# Altium PCB HV_DAC_8ch-DIOT.PCBDOC (part 7 of 11)
Units mm, origin at the board's own origin, x right, y up, seen from the top; angles counter-clockwise.
Board outline 222.63 x 100.1 mm, 8 copper layers (L1, L2, L3, P4, L5, L6, P7, L8), stack 1.563 mm thick; 971 components, 607 nets, 3066 pads, 1424 vias.
Unrouted connection lines stored in the file: 1.
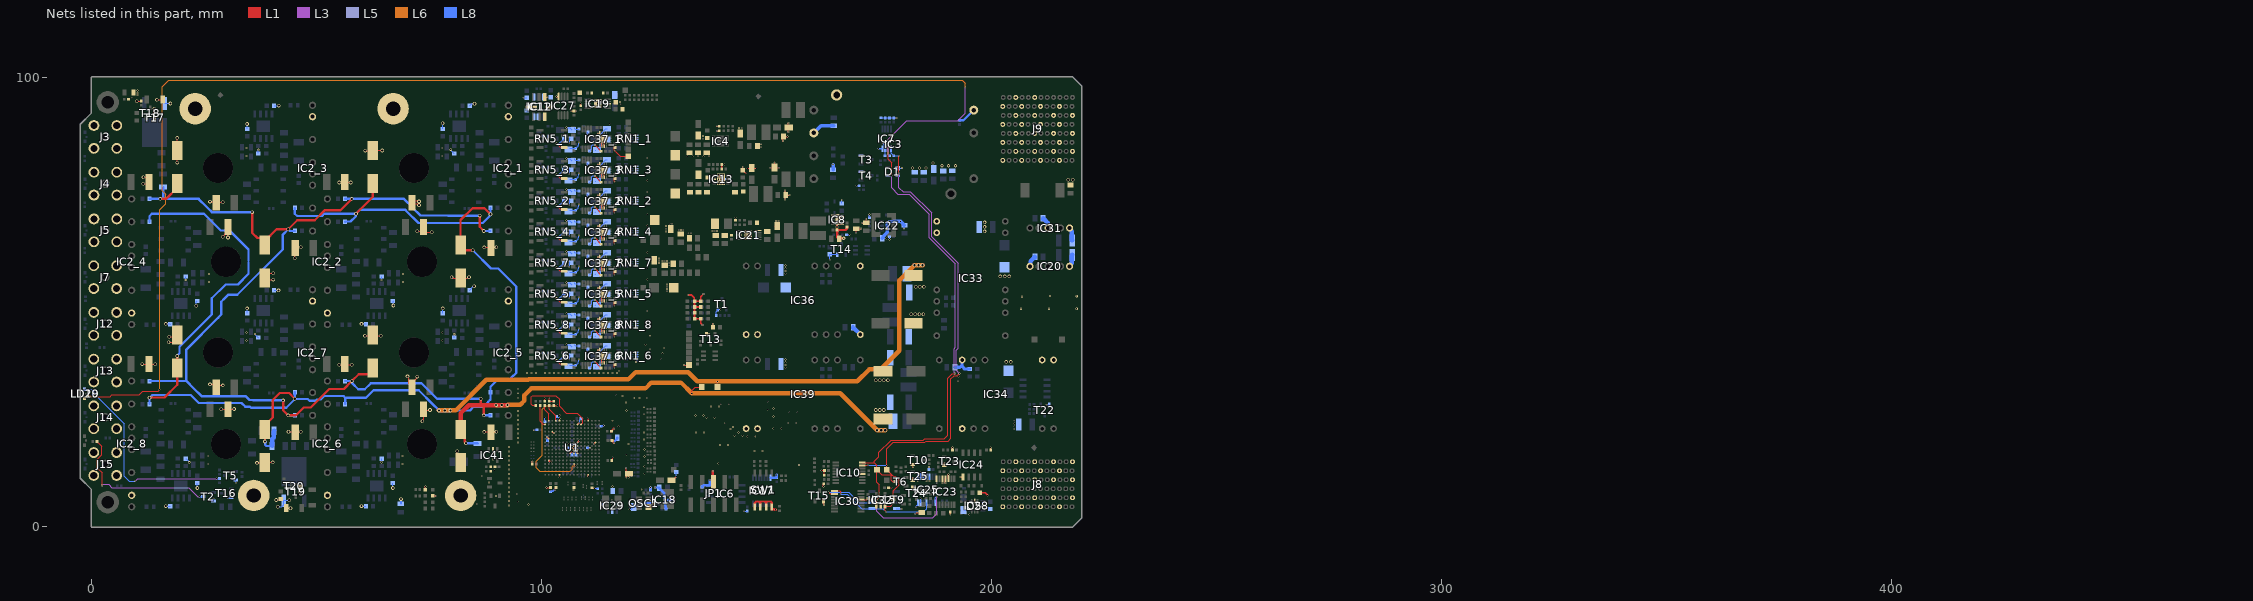
[diagram p13: the nets of this part, all layers, seen from the top]

## Via types
v1: diameter 0.4, hole 0.2, L1 to L8, tented both sides, 1016 vias
v2: diameter 0.8, hole 0.5, L1 to L8, tented both sides, 203 vias
v3: diameter 0.5, hole 0.2, L1 to L8, tented both sides, 117 vias
v4: diameter 0.7, hole 0.4, L1 to L8, tented both sides, 43 vias
v5: diameter 0.4, hole 0.2, L1 to L8, 32 vias
v6: diameter 0.5, hole 0.25, L1 to L8, 6 vias
v7: diameter 0.7, hole 0.4, L1 to L8, 5 vias
v8: diameter 1.2, hole 0.8, L1 to L8, tented both sides, 2 vias

## Nets (pads, with @x,y where several pads share a name; then routed paths per layer and width w, separated by ;. In a path a pad name is that pad's centre, name@x,y a point inside that pad or via, vN(x,y) a via of type N, cw(c..) or ccw(c..) an arc to the next point about the centre after c; other vN are vias at no path point) (continued)
GND: B2.1 B3.1 B4.1 B5.1 C3_1.2 C3_2.2 C3_3.2 C3_4.2 C3_5.2 C3_6.2 C3_7.2 C3_8.2 C4_1.1 C4_2.1 C4_3.1 C4_4.1 C4_5.1 C4_6.1 C4_7.1 C4_8.1 C5_1.2 C5_2.2 C5_3.2 C5_4.2 C5_5.2 C5_6.2 C5_7.2 C5_8.2 C7_1.2 C7_2.2 C7_3.2 C7_4.2 C7_5.2 C7_6.2 C7_7.2 C7_8.2 C8_1.1 C8_2.1 C8_3.1 C8_4.1 C8_5.1 C8_6.1 C8_7.1 C8_8.1 C9.1 C10.1 C11.1 C12_1.2 C12_2.2 C12_3.2 C12_4.2 C12_5.2 C12_6.2 C12_7.2 C12_8.2 C13.1 C14.2 C15.1 C16.1 C17.1 C18.1 C19.1 C22.1 C23.1 C24.1 C25.1 C26.1 C27.1 C28.2 C29.1 C30.1 C32.1 C33.2 C34.1 C36.1 C38.1 C39.1 C40.1 C41.1 C42.1 C43.1 C44.1 C45.1 C46.1 C47.1 C48.1 C49.2 C51.1 C52.2 C53.1 C54.1 C55.1 C56.1 C57.1 C58.1 C59.1 C60.2 C61.1 C62.1 C63.1 C64.1 C65.1 C67.1 C69.1 C70.1 C71.1 C72.1 C73.2 C74.1 C75.1 C76.1 C77.2 C78.1 C79.1 C80.1 C81.1 C82.2 C83.1 C84.1 C85.1 C86.1 C87.1 C88.1 C90.1 C91.2 C92_1.1 C92_2.1 C92_3.1 C92_4.1 C92_5.1 C92_6.1 C92_7.1 C92_8.1 C93.1 C94.1 C95.1 C96.1 C97_1.1 C97_2.1 C97_3.1 C97_4.1 C97_5.1 C97_6.1 C97_7.1 C97_8.1 C98_1.2 C98_2.2 C98_3.2 C98_4.2 C98_5.2 C98_6.2 C98_7.2 C98_8.2 C99_1.2 C99_2.2 C99_3.2 C99_4.2 C99_5.2 C99_6.2 C99_7.2 C99_8.2 C100.1 C101_1.1 C101_2.1 C101_3.1 C101_4.1 C101_5.1 C101_6.1 C101_7.1 C101_8.1 C103.1 C104.2 C105.1 C106_1.1 C106_2.1 C106_3.1 C106_4.1 C106_5.1 C106_6.1 C106_7.1 C106_8.1 C108.1 C109.2 C110.1 C111.1 C112.1 C113.1 C114.1 C115.1 C116.1 C117.1 C118.2 C119.1 C120.1 C121.1 C122.1 C123.1 C124.1 C125.2 C127.2 C128.2 C129.2 C130.2 C131.2 C132.1 C133.1 C134.2 C135.1 C137.1 C138_1.2 C138_2.2 C138_3.2 C138_4.2 C138_5.2 C138_6.2 C138_7.2 C138_8.2 C139.2 C140.1 C141.2 C142_1.1 C142_2.1 C142_3.1 C142_4.1 C142_5.1 C142_6.1 C142_7.1 C142_8.1 C143_1.1 C143_2.1 C143_3.1 C143_4.1 C143_5.1 C143_6.1 C143_7.1 C143_8.1 C144.1 C149.1 C150.2 C151.1 C152.1 C153.2 C154_1.1 C154_2.1 C154_3.1 C154_4.1 C154_5.1 C154_6.1 C154_7.1 C154_8.1 C155.1 C156.2 C157.1 C160.1 C161.1 C162.1 C163.1 C164.1 C165.1 C166.1 C167.1 C168.1 C170.1 C257.1 C258.2 D1.1 D5.2 D6.2 D8.2 D9.1 D10.1 D11.2 D13.1 IC2_1.2 IC2_2.2 IC2_3.2 IC2_4.2 IC2_5.2 IC2_6.2 IC2_7.2 IC2_8.2 IC3.3 IC3.5 IC3.9 IC4.9 IC6.4 IC7.4 IC8.1 IC8.4 IC8.6 IC8.11 IC10.4 IC11.3 IC11.4 IC11.5 IC11.8 IC12.3 IC12.4 IC12.5 IC12.8 IC13.8 IC13.11 IC15.4 IC17.7 IC18.2 IC19.8 IC19.11 IC20.1 IC20.5 IC21.5 IC21.8 IC21.11 IC22.1 IC23.3 IC23.4 IC23.5 IC23.7 IC24.1 IC25.6 IC25.7 IC25.8 IC25.9 IC25.10 IC25.11 IC25.12 IC27.4 IC28.2 IC29.2 IC30.13 IC31.1 IC31.3 IC32.2 IC33.2 IC33.3 IC34.2 IC34.3 IC34.10 IC34.15 IC36.2 IC36.3 IC36.12 IC36.13 IC37_1.2 IC37_1.3 IC37_1.12 IC37_1.17 IC37_2.2 IC37_2.3 IC37_2.12 IC37_2.17 IC37_3.2 IC37_3.3 IC37_3.12 IC37_3.17 IC37_4.2 IC37_4.3 IC37_4.12 IC37_4.17 IC37_5.2 IC37_5.3 IC37_5.12 IC37_5.17 IC37_6.2 IC37_6.3 IC37_6.12 IC37_6.17 IC37_7.2 IC37_7.3 IC37_7.12 IC37_7.17 IC37_8.2 IC37_8.3 IC37_8.12 IC37_8.17 IC39.2 IC39.3 IC41.2 J3.2 J4.2 J5.2 J7.2 J8.A2 J8.A4 J8.A6 J8.C1 J8.C5 J8.D2 J8.D4 J8.D6 J8.F1 J8.F5 J8.G2 J8.G4 J8.G6 J8.I1 J8.I5 J8.J2 J8.J4 J8.J6 J8.L1 J8.L5 J9.A2 J9.A4 J9.A6 J9.C1 J9.C3 J9.C5 J9.C7 J9.D2 J9.D4 J9.D6 J9.F1 J9.F3 J9.F5 J9.F7 J9.G2 J9.G4 J9.G6 J9.G8 J9.I1 J9.I3 J9.I5 J9.I7 J9.J2 J9.J4 J9.J6 J9.J8 J9.L1 J9.L3 J9.L5 J9.L7 J12.2 J13.2 J14.2 J15.2 JP1.5 LD2.1 LD4.1 LD5.1 LD6.2 LD7.2 LD8.1 LD10.1 LD11.1 LD13.1 OSC1.2 R8.1 R22.2 R25.1 R26.1 R27.1 R28.1 R32.2 R40.2 R45.2 R48.1 R57.2 R60.2 R67_1.1 R67_2.1 R67_3.1 R67_4.1 R67_5.1 R67_6.1 R67_7.1 R67_8.1 R77.1 R90.1 R91.1 R92.1 R94.1 R100.2 R101.1 R104.1 R113_1.1 R113_2.1 R113_3.1 R113_4.1 R113_5.1 R113_6.1 R113_7.1 R113_8.1 R126.1 R132.1 R137.1 R142.1 R154.1 R155.1 R157.1 R173.1 R174.1 R230.2 R231.2 R237.1 R276.2 R277.2 R382.1 RN1_1.5 RN1_1.6 RN1_1.7 RN1_1.8 RN1_2.5 RN1_2.6 RN1_2.7 RN1_2.8 RN1_3.5 RN1_3.6 RN1_3.7 RN1_3.8 RN1_4.5 RN1_4.6 RN1_4.7 RN1_4.8 RN1_5.5 RN1_5.6 RN1_5.7 RN1_5.8 RN1_6.5 RN1_6.6 RN1_6.7 RN1_6.8 RN1_7.5 RN1_7.6 RN1_7.7 RN1_7.8 RN1_8.5 RN1_8.6 RN1_8.7 RN1_8.8 RN5_1.1 RN5_2.1 RN5_3.1 RN5_4.1 RN5_5.1 RN5_6.1 RN5_7.1 RN5_8.1 SW1.1 SW1.2 SW1.3 SW1.4 T1.2 T2.2 T3.2 T4.2 T5.2 T10.2 T13.2 T14.2 T15.2 T16.2 T17.2 T18.2 T19.1 T20.2 T22.2 T23.2 T24.2 T25.2 TP16.1 TP17.1 U1.A4 U1.A12 U1.E15 U1.G7 U1.G8 U1.G9 U1.H7 U1.H8 U1.H9 U1.J7 U1.J8 U1.J9 U1.K2 U1.K7 U1.L15 U1.N14 U1.R7 U1.T4 U1.T12 | length 540
  L1 w0.1: v1(116.294,83.619) 117.513,82.4 TP17.1@119.3,82.4 ; v1(131.7,36) TP16.1@132.8,36
  L1 w0.127: C78.1@97.95,14 97.981,14.031 v1(97.981,14.624) ; v1(101.092,8.763) 101.987,8.763 C23.1@102,8.75 ; v1@101.194,20.02 v1(101.194,20.035) ; U1.L15@101.592,19.6 U1.L15@101.592,19.622 ; U1.N14@102.4,21.2 102.406,21.2 102.752,20.855 v1@102.752,20.848 ; v1(103.048,8.179) 103.048,8.598 C71.1@103.2,8.75 ; v1(104,11.06) U1.A12@104,11.6 ; U1.T12@104,23.6 104.015,23.615 104.015,24.109 v1(104.03,24.124) ; v1@104.055,24.905 v1@104.107,24.957 ; v1@106.027,18.352 106.048,18.352 106.379,18.021 U1.J9@106.379,18 ; v1(106.045,16.815) 106.045,16.83 106.394,17.179 U1.H9@106.4,17.179 ; U1.G9@106.4,16.4 106.418,16.4 v1@106.829,16.811 ; v1(106.8,17.6) U1.H8@107.2,17.2 ; v1@106.829,16.829 v1@106.829,16.811 ; v1(107.137,8.204) 107.137,8.687 C57.1@107.2,8.75 ; U1.G8@107.2,16.4 107.2,16.422 v1(106.832,16.789) 106.829,16.793 v1@106.829,16.811 ; U1.J8@107.2,18 v1(107.594,18.394) 107.6,18.4 107.6,18.394 107.994,18 U1.J7@108,18 ; U1.G7@108,16.4 108,16.43 107.645,16.785 v1(107.645,16.815) 107.645,16.83 108,17.185 U1.H7@108,17.2 ; U1.K7@108,18.842 108.042,18.842 108.352,19.152 v1@108.352,19.194 ; U1.R7@108,22.821 108.004,22.821 108.352,23.169 v1@108.352,23.173 ; v1(110.285,24.176) 110.285,24.102 110.396,23.991 110.396,23.604 U1.T4@110.4,23.6 ; U1.A4@110.4,11.6 110.403,11.597 110.403,11.178 v1(110.405,11.176) ; C70.1@111.2,8.7 111.3,8.6 v1(111.78,8.6) ; v1(111.608,18.415) 111.611,18.415 111.996,18.8 U1.K2@112,18.8 ; IC37_6.17@112.935,38.773 IC37_6.17@113.07,38.638 ; IC37_8.17@112.935,45.66 IC37_8.17@113.07,45.525 ; IC37_5.17@112.935,52.546 IC37_5.17@113.07,52.412 ; IC37_7.17@112.935,59.433 IC37_7.17@113.07,59.298 ; IC37_4.17@112.935,66.319 IC37_4.17@113.07,66.185 ; IC37_2.17@112.935,73.206 IC37_2.17@113.07,73.071 ; IC37_3.17@112.935,80.093 IC37_3.17@113.07,79.958 ; IC37_1.17@112.935,86.979 IC37_1.17@113.07,86.844 ; C43.1@115.6,14.8 115.824,15.024 v1(115.824,15.494) ; v1@116.18,35.526 v1(116.294,35.412) ; v1@116.18,42.413 v1(116.294,42.299) ; v1@116.18,49.3 v1(116.294,49.186) ; v1@116.18,56.186 v1(116.294,56.072) ; v1@116.18,63.073 v1(116.294,62.959) ; v1@116.18,69.959 v1(116.294,69.845) ; v1@116.18,76.846 v1(116.294,76.732) ; v1@116.18,83.733 v1(116.294,83.619) ; C101_6.1@116.195,35.897 116.195,36.024 C101_6.1@116.195,36.164 ; C101_8.1@116.195,42.784 116.195,42.91 C101_8.1@116.195,43.05 ; C101_5.1@116.195,49.67 116.195,49.797 C101_5.1@116.195,49.937 ; C101_7.1@116.195,56.557 116.195,56.684 C101_7.1@116.195,56.823 ; C101_4.1@116.195,63.444 116.195,63.57 C101_4.1@116.195,63.71 ; C101_2.1@116.195,70.33 116.195,70.457 C101_2.1@116.195,70.596 ; C101_3.1@116.195,77.217 116.195,77.343 C101_3.1@116.195,77.483 ; C101_1.1@116.195,84.103 116.195,84.23 C101_1.1@116.195,84.37 ; v1(127.25,6) v1@127.303,6 ; C33.2@128.9,10.4 129.175,10.4 129.736,10.961 129.736,10.99 129.956,11.209 v1(129.956,11.251) ; C60.2@151.954,66.754 C60.2@152,66.8 ; v1(153.65,85.8) 153.65,86.65 C42.1@153.8,86.8 v1(154.65,86.8) ; v1(154.9,87.8) 154.9,88.75 C18.1@154.95,88.8 154.9,88.85 v1(154.9,89.8) ; v1(162.204,12.573) 162.872,12.573 C88.1@162.897,12.548 162.852,12.502 R40.2@162.852,11.506 ; v1(162.662,8.992) 162.662,9.512 R45.2@162.75,9.601 ; T15.2@162.723,5.759 162.789,5.693 v1(162.789,4.902) ; IC8.11@165.788,67.675 IC8.11@165.788,68.332 ; v1(169.94,65.424) C64.1@169.94,66.274 171.016,66.274 171.016,66.301 v1(171.044,66.329) ; v1(170.231,11.709) 171.269,11.709 IC10.4@171.289,11.729 ; IC30.13@171.047,6.065 172.345,6.065 C116.1@172.593,6.314 172.839,6.067 173.109,6.067 173.176,6 v1(173.25,6) ; IC32.2@175.385,4.652 v1(175.385,5.527) ; C38.1@177.113,8.7 177.125,8.712 v1(177.851,8.712)
  L1 w0.2: LD7.2@74.175,8.3 v1(74.175,8.975) ; LD2.1@75.825,6.9 v1(76.5,6.9) ; T13.2@136.675,42.9 v1(137.225,42.9) ; C111.1@138.1,44.4 v1(138.1,45.15) ; v1(138.98,88.1) R27.1@139.53,88.1 ; v1(138.98,89.1) R22.2@139.53,89.1 ; R57.2@140.07,80.6 v1(140.62,80.6) ; R142.1@143.13,68.2 v1(143.13,68.75) ; T24.2@182.45,8.65 v1(183,8.65) ; T25.2@182.55,10.35 v1(182.55,10.9) ; v1(182.55,13.3) T10.2@182.55,13.85 ; v1(187.85,9.75) IC23.7@187.85,10.7 ; v1(189.15,9.75) IC23.5@189.15,10.7 ; T23.2@189.55,13.65 v1(189.55,14.2) ; v1(189.8,9.75) IC23.4@189.8,10.7 ; IC23.3@190.45,10.7 v1(190.45,11.65) ; v1(190.85,2.75) C11.1@190.85,3.3 ; C95.1@191.35,17.1 v1(191.35,17.65) ; v1(193.145,11.1) IC24.1@193.695,11.1 ; D5.2@196.3,5.7 v1(196.3,6.4) ; C100.1@199.85,17.1 v1(199.85,17.65)
  L1 w0.203: v1(111.915,36.718) 111.915,36.696 112.882,35.73 112.882,35.683 C3_6.2@113.232,35.332 ; v1(111.915,43.605) 111.915,43.582 112.882,42.616 112.882,42.569 C3_8.2@113.232,42.219 ; v1(111.915,50.492) 111.915,50.469 112.882,49.503 112.882,49.456 C3_5.2@113.232,49.106 ; v1(111.915,57.378) 111.915,57.356 112.882,56.39 112.882,56.343 C3_7.2@113.232,55.992 ; v1(111.915,64.265) 111.915,64.242 112.882,63.276 112.882,63.229 C3_4.2@113.232,62.879 ; v1(111.915,71.151) 111.915,71.129 112.882,70.163 112.882,70.116 C3_2.2@113.232,69.765 ; v1(111.915,78.038) 111.915,78.015 112.882,77.049 112.882,77.002 C3_3.2@113.232,76.652 ; v1(111.915,84.925) 111.915,84.902 112.882,83.936 112.882,83.889 C3_1.2@113.232,83.539 ; v1(112.521,39.335) 112.558,39.372 112.89,39.372 112.935,39.417 IC37_6.12@112.935,39.462 ; v1(112.521,46.221) 112.558,46.259 112.89,46.259 112.935,46.304 IC37_8.12@112.935,46.348 ; v1(112.521,53.108) 112.558,53.145 112.89,53.145 112.935,53.19 IC37_5.12@112.935,53.235 ; v1(112.521,59.994) 112.558,60.032 112.89,60.032 112.935,60.077 IC37_7.12@112.935,60.121 ; v1(112.521,66.881) 112.558,66.919 112.89,66.919 112.935,66.963 IC37_4.12@112.935,67.008 ; v1(112.521,73.768) 112.558,73.805 112.89,73.805 112.935,73.85 IC37_2.12@112.935,73.895 ; v1(112.521,80.654) 112.558,80.692 112.89,80.692 112.935,80.737 IC37_3.12@112.935,80.781 ; v1(112.521,87.541) 112.558,87.578 112.89,87.578 112.935,87.623 IC37_1.12@112.935,87.668
  L1 w0.254: v2(10,94.625) 10.032,94.657 10.967,94.657 R126.1@11,94.69 ; v2(11.265,36.214) C4_8.1@12.765,36.214 12.805,36.174 v2(14.1,36.174) ; v2(11.47,76.325) 12.269,76.325 12.531,76.587 12.638,76.587 C4_4.1@12.765,76.714 ; v2(11.5,77.745) 12.092,77.745 12.531,77.306 12.531,76.714 C4_4.1@12.638,76.714 ; v2(13.94,93) 13.945,92.995 13.945,90.855 T18.2@13.95,90.85 ; v2(14.5,95) D11.2@15.75,95 ; v2(17.085,41.052) 17.952,41.052 18.335,41.435 C168.1@18.335,42.302 ; v2(17.242,42.302) C168.1@18.335,42.302 ; v2(19,81) C128.2@19,83.675 v2(19,86.5) ; v2(26.291,31.69) 27.581,31.69 27.806,31.465 v2(29.171,31.465) ; v2(26.291,72.338) 27.657,72.338 27.803,72.192 v2(29.111,72.192) ; v2(28.791,26.181) C8_8.1@30.291,26.181 30.333,26.223 v2(31.646,26.223) ; v2(29.111,64.514) 29.111,64.551 30.291,65.731 C8_4.1@30.291,66.681 ; v2(30.291,64.362) C8_4.1@30.291,65.67 ; v2(36.754,14.236) 38.411,14.236 C166.1@38.5,14.325 38.525,14.35 v2(40.257,14.35) ; C129.2@38.5,55.325 C129.2@38.675,55.5 ; v2(40.377,55) 39.175,55 C129.2@38.675,55.5 ; v2(40.377,56.394) 39.548,56.394 38.675,55.521 C129.2@38.675,55.5 ; v2(41,6) 41.827,6 R132.1@42.067,6.24 ; D13.1@43.25,4.25 43.35,4.15 v2(44.185,4.15) ; v2(43.75,21.159) 45.108,21.159 C4_7.1@45.235,21.032 45.362,21.159 v2(46.473,21.159) ; v2(45.153,59.732) 45.153,61.95 C4_3.1@45.235,62.032 45.362,62.159 v2(46.473,62.159) ; v2(46.303,7.84) 46.308,7.844 46.308,8.985 T19.1@46.312,8.99 ; v2(55.027,36.087) 56.138,36.087 C4_6.1@56.265,36.214 56.389,36.09 v2(57.821,36.09) ; v2(55.027,76.587) 56.138,76.587 C4_2.1@56.265,76.714 56.392,76.587 v2(57.6,76.587) ; v2(60.742,42.496) 62.321,42.496 C130.2@62.5,42.675 62.679,42.496 v2(64.279,42.496) ; v2(60.822,83.675) C162.1@62.5,83.675 62.528,83.703 v2(64.564,83.703) ; v2(70.198,33.474) 70.198,33.292 70.473,33.017 70.473,31.801 C8_5.1@71.209,31.065 71.209,32.015 72.255,33.06 72.255,33.327 v2(72.359,33.432) ; C8_1.1@71.209,72.065 71.432,71.842 72.351,71.842 72.693,71.5 v2(72.752,71.5) ; C8_1.1@71.575,72.692 71.787,72.48 72.473,72.48 72.604,72.349 v2(72.752,72.349) ; v2(72.359,65.75) C8_2.1@73.389,65.75 ; v2(73.523,23.5) 73.523,23.682 73.791,23.95 C8_6.1@73.791,26.181 73.972,26 v2(75.209,26) ; C8_2.1@73.938,65.614 74.052,65.5 v2(75.574,65.5) ; v2(80,55.5) 80.182,55.5 80.357,55.325 C165.1@82,55.325 83.523,55.325 83.698,55.5 v2(83.88,55.5) ; v2(81.268,16.844) 81.268,15.057 C131.2@82,14.325 ; v2(87.25,21.135) 88.632,21.135 C4_5.1@88.735,21.032 88.862,21.159 v2(89.973,21.159) ; v2(87.25,62.151) 88.616,62.151 C4_1.1@88.735,62.032 88.862,62.159 v2(89.973,62.159) ; v1(100.7,28.6) 100.7,27.96 R94.1@100.71,27.95 ; IC12.5@100.719,95.603 100.772,95.55 v1(101.3,95.55) ; R173.1@101.7,27.95 R173.1@101.71,27.95 ; v1(101.7,28.6) 101.7,27.96 R173.1@101.71,27.95 ; R174.1@102.71,27.95 R173.1@101.71,27.95 ; v3(103.275,37.049) 104.056,36.268 104.945,36.268 RN5_6.1@105.053,36.16 ; v3(103.275,43.935) 104.056,43.155 104.945,43.155 RN5_8.1@105.053,43.046 ; v3(103.275,50.822) 104.056,50.041 104.945,50.041 RN5_5.1@105.053,49.933 ; v3(103.275,57.708) 104.056,56.928 104.945,56.928 RN5_7.1@105.053,56.819 ; v3(103.275,64.595) 104.056,63.814 104.945,63.814 RN5_4.1@105.053,63.706 ; v3(103.275,71.482) 104.056,70.701 104.945,70.701 RN5_2.1@105.053,70.593 ; v3(103.275,78.368) 104.056,77.588 104.945,77.588 RN5_3.1@105.053,77.479 ; v3(103.275,85.255) 104.056,84.474 104.945,84.474 RN5_1.1@105.053,84.366 ; v1(103.315,95.675) IC27.4@103.825,95.675 ; v1(106.69,92.45) C152.1@107.2,92.45 v1(107.71,92.45) ; R155.1@108.7,93.67 v1(108.7,94.18) ; IC37_6.2@113.435,36.462 113.435,37.412 IC37_6.17@113.685,37.662 ; IC37_8.2@113.435,43.348 113.435,44.298 IC37_8.17@113.685,44.548 ; IC37_5.2@113.435,50.235 113.435,51.185 IC37_5.17@113.685,51.435 ; IC37_7.2@113.435,57.121 113.435,58.071 IC37_7.17@113.685,58.321 ; IC37_4.2@113.435,64.008 113.435,64.958 IC37_4.17@113.685,65.208 ; IC37_2.2@113.435,70.895 113.435,71.845 IC37_2.17@113.685,72.095 ; IC37_3.2@113.435,77.781 113.435,78.731 IC37_3.17@113.685,78.981 ; IC37_1.2@113.435,84.668 113.435,85.618 IC37_1.17@113.685,85.868 ; IC37_6.17@113.685,37.962 IC37_6.17@113.685,37.662 ; IC37_8.17@113.685,44.848 IC37_8.17@113.685,44.548 ; IC37_5.17@113.685,51.735 IC37_5.17@113.685,51.435 ; IC37_7.17@113.685,58.621 IC37_7.17@113.685,58.321 ; IC37_4.17@113.685,65.508 IC37_4.17@113.685,65.208 ; IC37_2.17@113.685,72.395 IC37_2.17@113.685,72.095 ; IC37_3.17@113.685,79.281 IC37_3.17@113.685,78.981 ; IC37_1.17@113.685,86.168 IC37_1.17@113.685,85.868 ; IC37_6.3@113.935,36.462 113.935,37.214 113.687,37.462 113.685,37.462 IC37_6.17@113.685,37.662 ; IC37_8.3@113.935,43.348 113.935,44.1 113.687,44.348 113.685,44.348 IC37_8.17@113.685,44.548 ; IC37_5.3@113.935,50.235 113.935,50.987 113.687,51.235 113.685,51.235 IC37_5.17@113.685,51.435 ; IC37_7.3@113.935,57.121 113.935,57.873 113.687,58.121 113.685,58.121 IC37_7.17@113.685,58.321 ; IC37_4.3@113.935,64.008 113.935,64.76 113.687,65.008 113.685,65.008 IC37_4.17@113.685,65.208 ; IC37_2.3@113.935,70.895 113.935,71.647 113.687,71.895 113.685,71.895 IC37_2.17@113.685,72.095 ; IC37_3.3@113.935,77.781 113.935,78.533 113.687,78.781 113.685,78.781 IC37_3.17@113.685,78.981 ; IC37_1.3@113.935,84.668 113.935,85.42 113.687,85.668 113.685,85.668 IC37_1.17@113.685,85.868 ; v1@116.18,35.526 116.18,36.009 116.195,36.024 C101_6.1@116.229,36.058 ; v1@116.18,42.413 116.18,42.896 116.195,42.91 C101_8.1@116.229,42.945 ; v1@116.18,49.3 116.18,49.782 116.195,49.797 C101_5.1@116.229,49.831 ; v1@116.18,56.186 116.18,56.669 116.195,56.684 C101_7.1@116.229,56.718 ; v1@116.18,63.073 116.18,63.556 116.195,63.57 C101_4.1@116.229,63.604 ; v1@116.18,69.959 116.18,70.442 116.195,70.457 C101_2.1@116.229,70.491 ; v1@116.18,76.846 116.18,77.329 116.195,77.343 C101_3.1@116.229,77.378 ; v1@116.18,83.733 116.18,84.215 116.195,84.23 C101_1.1@116.229,84.264 ; v1(118.815,10.975) 118.815,11.388 C52.2@119.402,11.976 ; v1(118.847,13.132) 118.847,12.474 119.345,11.976 C52.2@119.402,11.976 ; v1(119.378,10.974) 119.402,10.998 C52.2@119.402,11.826 C52.2@119.402,11.976 ; v1(144.75,80) C29.1@144.75,79.3 144.775,79.3 145.297,78.778 145.472,78.778 v1(145.5,78.75) ; v1(145.75,79.75) 146.7,79.75 C77.2@146.75,79.8 146.8,79.75 v1(147.75,79.75) ; C44.1@147.9,84.7 C44.1@148.157,84.957 ; v1(150.8,79.85) 151.75,79.85 C28.2@151.8,79.9 ; v1(151.8,81.1) C28.2@151.8,79.9 ; v1(152.8,79.85) 151.85,79.85 C28.2@151.8,79.9 ; v1(154.15,72.8) 154.15,73.65 C27.1@154.3,73.8 ; v1(154.15,74.8) 154.15,73.95 C27.1@154.3,73.8 ; v1(155.15,73.8) C27.1@154.3,73.8 ; IC8.6@164.738,69.332 165.445,69.332 165.788,68.989 IC8.11@165.788,68.489 ; IC8.11@165.788,67.675 166.131,67.332 IC8.1@166.838,67.332 ; IC8.11@165.788,68.332 IC8.11@165.788,68.489 ; IC8.4@166.838,68.832 166.131,68.832 IC8.11@165.788,68.489 ; v1(171.271,67.653) 172.158,67.653 C110.1@172.171,67.641 v1(172.171,68.441) ; v1(183.1,2.9) 183.4,3.2 C15.1@184.5,3.2 ; C168.1@18.335,42.302 18.627,42.302 C168.1@19,42.675 18.708,42.675 C168.1@18.335,42.302
  L1 w0.3: v1@101.194,20.02 U1.L15@101.592,19.622 ; U1.E15@101.6,14.8 v1(102,14.4) ; R26.1@140.03,79.6 140.07,79.64 R57.2@140.07,80.6 ; C103.1@197.4,7.6 198.6,7.6 v1(199.2,7)
  L1 w0.4: v1(132.6,51.6) 133.3,51.6 133.938,50.962 133.938,50.287 LD6.2@134.025,50.2 ; LD8.1@135.375,48.9 LD5.1@134.025,48.9 ; v1(135.8,44.9) 135.375,45.325 LD11.1@135.375,46.3 LD13.1@134.025,46.3 LD10.1@134.025,47.6 LD5.1@134.025,48.9 ; v1(136,51.8) 135.375,51.175 LD4.1@135.375,50.2 LD6.2@134.025,50.2 ; LD5.1@134.025,48.9 LD6.2@134.025,50.2
  L1 w0.508: C80.1@115.525,21.282 116.071,21.828 v1(116.119,21.828) ; C22.1@115.65,19.2 116.119,18.731 v1(116.119,18.726) ; OSC1.2@123.76,4.455 123.776,4.47 124.968,4.47 124.968,4.988 v1(124.706,5.25) ; v1(138.091,12.446) 138.091,10.148 JP1.5@138.23,10.009 ; SW1.1@147.371,4.44 147.371,4.94 147.392,4.961 147.392,5.318 147.738,5.664 148.59,5.664 ; SW1.2@148.641,4.44 148.641,5.613 148.59,5.664 ; SW1.3@149.911,4.44 149.89,4.461 149.89,5.511 149.737,5.664 ; v1(152.044,3.835) 151.785,3.835 151.702,3.919 151.202,3.919 151.181,3.94 SW1.4@151.181,4.44 151.181,5.367 150.883,5.664 149.737,5.664 ; C58.1@165.69,65.976 v4(165.69,66.674) 165.707,66.691 165.707,67.594 IC8.11@165.788,67.675 ; v4(167.19,64.174) 165.94,64.174 165.763,64.35 165.763,65.955 C58.1@165.707,66.011 167.585,66.011 167.882,66.309 167.882,66.626 C63.1@167.938,66.682 ; 148.59,5.664 149.737,5.664
  L5 w0.381: v1(157.25,13.75) v1@157.25,13.755
  L8 w0.1: v1(129.956,11.251) 129.956,12.156 C114.1@130,12.2
  L8 w0.127: v1(98.29,21.524) 98.333,21.567 98.967,21.567 C53.1@99,21.6 C53.1@99.033,21.633 ; R67_6.1@104.902,37.988 R67_6.1@104.926,37.988 ; R67_8.1@104.902,44.875 R67_8.1@104.926,44.875 ; R67_5.1@104.902,51.762 R67_5.1@104.926,51.762 ; R67_7.1@104.902,58.648 R67_7.1@104.926,58.648 ; R67_4.1@104.902,65.535 R67_4.1@104.926,65.535 ; R67_2.1@104.902,72.421 R67_2.1@104.926,72.421 ; R67_3.1@104.902,79.308 R67_3.1@104.926,79.308 ; R67_1.1@104.902,86.195 R67_1.1@104.926,86.195 ; v1(106,18.4) 106.75,18.4 C56.1@106.8,18.35 ; C75.1@106.05,17.6 v1(106.8,17.6) ; C24.1@106.75,16 106.832,16.082 106.832,16.721 v1@106.777,16.777 ; C79.1@107.475,17.601 107.594,17.721 107.594,18.331 v1@107.525,18.401 ; v1(107.645,16.815) 107.645,16.005 C25.1@107.65,16 ; v1(108.356,23.19) 108.356,23.264 108.498,23.405 108.498,23.854 C16.1@108.744,24.1 ; C143_6.1@110.298,39.576 C143_6.1@110.311,39.589 ; C143_8.1@110.298,46.463 C143_8.1@110.311,46.475 ; C143_5.1@110.298,53.349 C143_5.1@110.311,53.362 ; C143_7.1@110.298,60.236 C143_7.1@110.311,60.248 ; C143_4.1@110.298,67.122 C143_4.1@110.311,67.135 ; C143_2.1@110.298,74.009 C143_2.1@110.311,74.022 ; C143_3.1@110.298,80.895 C143_3.1@110.311,80.908 ; C143_1.1@110.298,87.782 C143_1.1@110.311,87.795 ; v1(111.78,8.6) 112.4,8.6 R237.1@112.5,8.5 ; C138_6.2@111.979,35.565 C138_6.2@112.004,35.59 ; C138_8.2@111.979,42.452 C138_8.2@112.004,42.477 ; C138_5.2@111.979,49.338 C138_5.2@112.004,49.364 ; C138_7.2@111.979,56.225 C138_7.2@112.004,56.25 ; C138_4.2@111.979,63.111 C138_4.2@112.004,63.137 ; C138_2.2@111.979,69.998 C138_2.2@112.004,70.023 ; C138_3.2@111.979,76.884 C138_3.2@112.004,76.91 ; C138_1.2@111.979,83.771 C138_1.2@112.004,83.796 ; C138_6.2@112.876,35.88 C138_6.2@113.025,36.029 ; C138_8.2@112.876,42.767 C138_8.2@113.025,42.916 ; C138_5.2@112.876,49.653 C138_5.2@113.025,49.802 ; C138_7.2@112.876,56.54 C138_7.2@113.025,56.689 ; C138_4.2@112.876,63.427 C138_4.2@113.025,63.576 ; C138_2.2@112.876,70.313 C138_2.2@113.025,70.462 ; C138_3.2@112.876,77.2 C138_3.2@113.025,77.349 ; C138_1.2@112.876,84.086 C138_1.2@113.025,84.235 ; C138_6.2@112.995,35.844 C138_6.2@113.025,35.875 ; C138_8.2@112.995,42.731 C138_8.2@113.025,42.762 ; C138_5.2@112.995,49.618 C138_5.2@113.025,49.648 ; C138_7.2@112.995,56.504 C138_7.2@113.025,56.535 ; C138_4.2@112.995,63.391 C138_4.2@113.025,63.422 ; C138_2.2@112.995,70.277 C138_2.2@113.025,70.308 ; C138_3.2@112.995,77.164 C138_3.2@113.025,77.195 ; C138_1.2@112.995,84.05 C138_1.2@113.025,84.081 ; v5@113.003,37.252 v5@113.025,37.23 ; v5@113.003,44.138 v5@113.025,44.116 ; v5@113.003,51.025 v5@113.025,51.003 ; v5@113.003,57.912 v5@113.025,57.89 ; v5@113.003,64.798 v5@113.025,64.776 ; v5@113.003,71.685 v5@113.025,71.663 ; v5@113.003,78.571 v5@113.025,78.549 ; v5@113.003,85.458 v5@113.025,85.436 ; v5(113.025,37.262) 113.029,37.265 v5@113.029,37.277 ; v5(113.025,44.148) 113.029,44.152 v5@113.029,44.164 ; v5(113.025,51.035) 113.029,51.038 v5@113.029,51.05 ; v5(113.025,57.921) 113.029,57.925 v5@113.029,57.937 ; v5(113.025,64.808) 113.029,64.811 v5@113.029,64.824 ; v5(113.025,71.695) 113.029,71.698 v5@113.029,71.71 ; v5(113.025,78.581) 113.029,78.585 v5@113.029,78.597 ; v5(113.025,85.468) 113.029,85.471 v5@113.029,85.483 ; v1(145,3.5) 145.7,3.5 C86.1@145.75,3.55 ; C93.1@177.355,64.509 177.384,64.48 v1(177.384,63.903) ; IC15.4@178.871,4.094 179.833,4.094 179.926,4 v1(180,4)
  L8 w0.15: C69.1@166.761,71.913 v1(166.761,72.663) ; v1(170.036,75.863) 170.056,75.883 R101.1@170.636,75.883
  L8 w0.2: v1(139.9,77.3) R48.1@140.73,77.3 ; v1(183.3,4.4) 183.338,4.438 183.338,4.647 183.466,4.775 183.525,4.775 183.65,4.9 IC25.7@183.65,5.4 ; v1(183.65,10.25) IC25.8@183.65,11.2 ; IC25.6@184.3,5.4 v1(184.3,6.35) ; IC25.9@184.3,11.2 v1(184.3,12.15) ; IC25.10@184.95,11.2 v1(184.95,12.15) ; v1(185.6,10.25) IC25.11@185.6,11.2 ; C105.1@186.15,12.8 v1(186.15,13.35) ; v1(186.25,10.25) IC25.12@186.25,11.2 ; v1(212.25,27.15) T22.2@212.85,27.15